# Altium PCB DIOT_temperature_logger.PcbDoc (part 7 of 8)
Units mm, origin at the board's own origin, x right, y up, seen from the top; angles counter-clockwise.
Board outline 300.88 x 109 mm, 4 copper layers (TOP, MID1, MID2, BOT), stack 1.564 mm thick; 654 components, 622 nets, 3422 pads, 1095 vias.
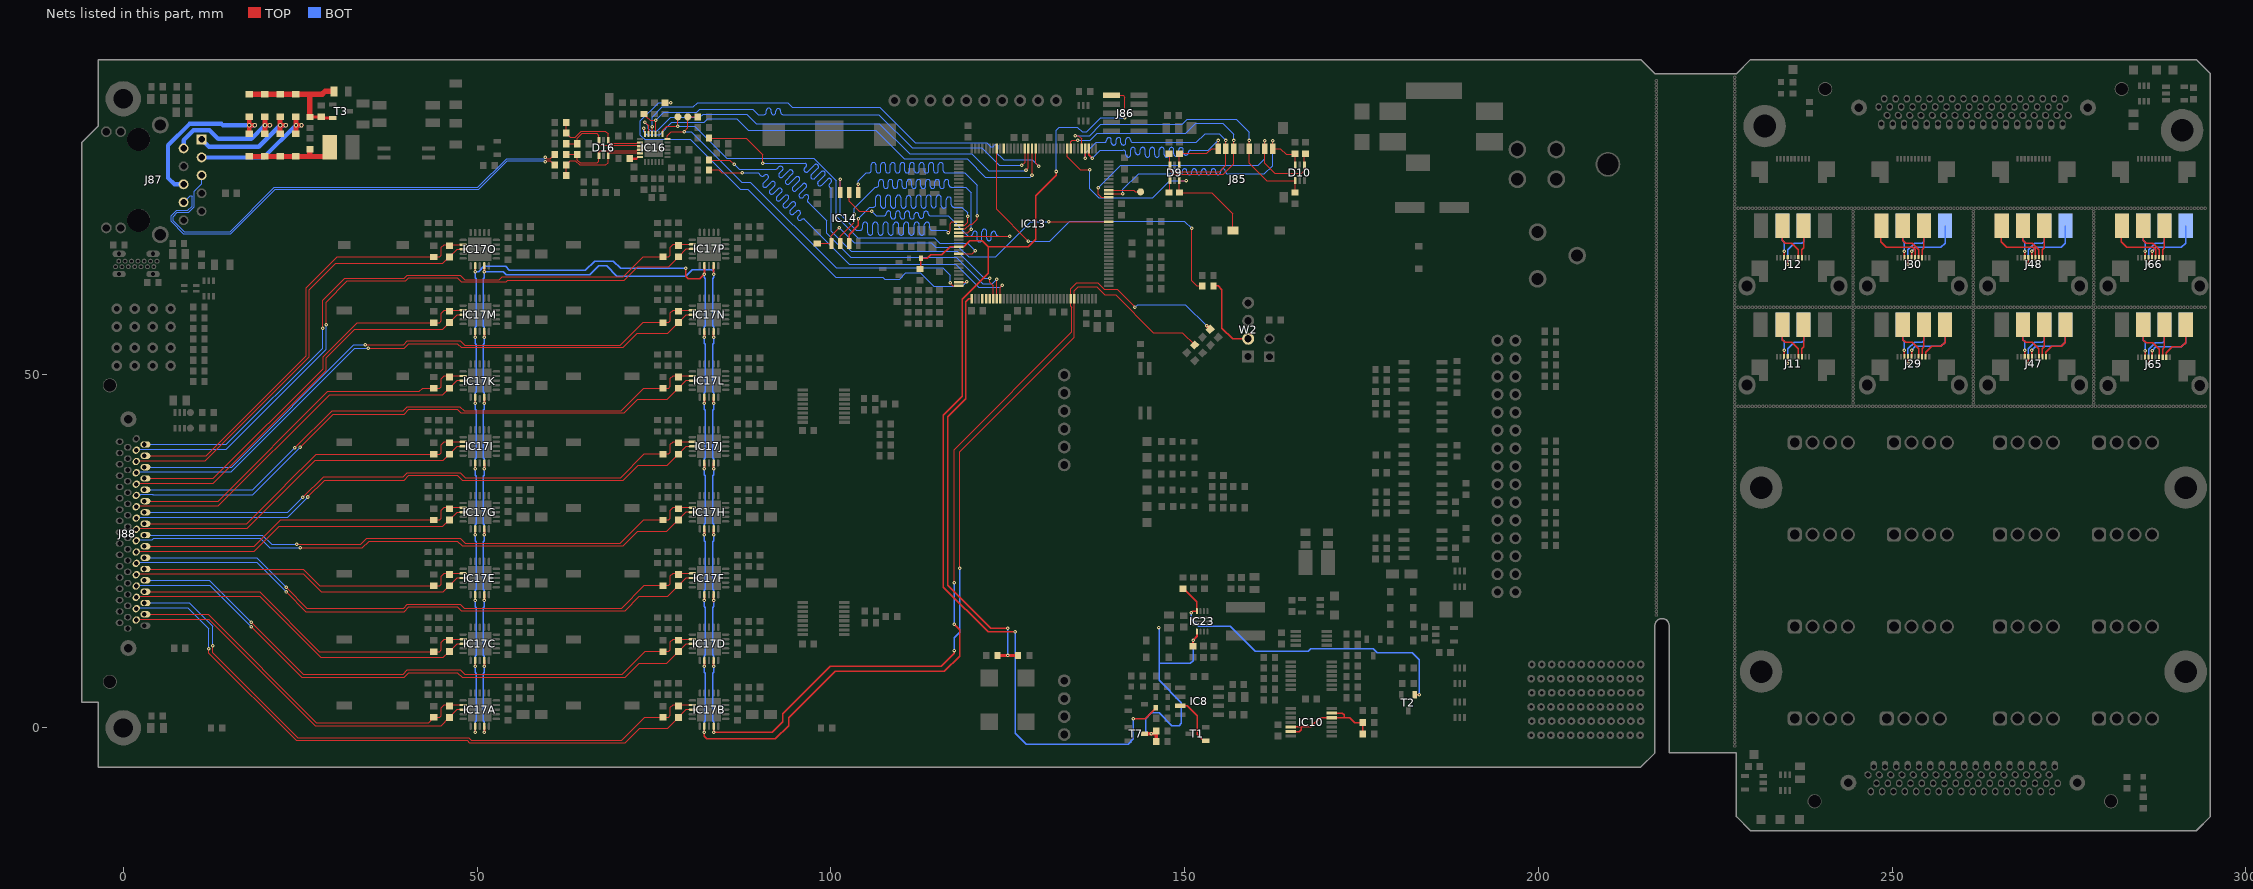
[diagram p9: the nets of this part, all layers, seen from the top]

## Via types
v1: diameter 0.5, hole 0.2, TOP to BOT, tented both sides, 913 vias
v2: diameter 0.5, hole 0.2, TOP to BOT, 98 vias
v3: diameter 0.6, hole 0.3, TOP to BOT, tented both sides, 84 vias

## Nets (pads, with @x,y where several pads share a name; then routed paths per layer and width w, separated by ;. In a path a pad name is that pad's centre, name@x,y a point inside that pad or via, vN(x,y) a via of type N, cw(c..) or ccw(c..) an arc to the next point about the centre after c; other vN are vias at no path point) (continued)
PFORCE_P04: J29.5 J37.1 | length 8.6
  TOP w0.2: J29.5@252.74,52.45 v1(252.74,53.375)
  BOT w0.2: v1(252.74,53.375) 253.265,53.9 256.88,53.9 257.48,54.5 J37.1@257.48,56.95
PFORCE_P05: J30.5 J38.1 | length 8.6
  TOP w0.2: J30.5@252.74,66.451 v1(252.74,67.375)
  BOT w0.2: v1(252.74,67.375) 253.265,67.9 256.88,67.9 257.48,68.5 J38.1@257.48,70.95
PFORCE_P06: J29.9 J45.1 | length 6.4
  TOP w0.2: J29.9@254.73,52.45 254.73,53.05 255.58,53.9 256.88,53.9 257.48,54.5 J45.1@257.48,56.95
PFORCE_P07: J30.6 J40.1 | length 8.7
  TOP w0.2: J40.1@248.38,70.951 248.38,68.7 249.18,67.9 252.905,67.9 253.23,67.575 J30.6@253.23,66.451
PFORCE_P08: J47.5 J55.1 | length 8.6
  TOP w0.2: J47.5@269.74,52.45 v1(269.74,53.375)
  BOT w0.2: v1(269.74,53.375) 270.265,53.9 273.88,53.9 274.48,54.5 J55.1@274.48,56.95
PFORCE_P09: J48.5 J56.1 | length 8.6
  TOP w0.2: J48.5@269.74,66.451 v1(269.74,67.375)
  BOT w0.2: v1(269.74,67.375) 270.265,67.9 273.88,67.9 274.48,68.5 J56.1@274.48,70.95
PFORCE_P10: J47.9 J63.1 | length 6.4
  TOP w0.2: J47.9@271.73,52.45 271.73,53.05 272.58,53.9 273.88,53.9 274.48,54.5 J63.1@274.48,56.95
PFORCE_P11: J48.6 J58.1 | length 8.7
  TOP w0.2: J58.1@265.38,70.951 265.38,68.7 266.18,67.9 269.905,67.9 270.23,67.575 J48.6@270.23,66.451
PFORCE_P12: J65.5 J73.1 | length 8.6
  TOP w0.2: J65.5@286.74,52.375 v1(286.74,53.3)
  BOT w0.2: v1(286.74,53.3) 287.265,53.825 290.88,53.825 291.48,54.425 J73.1@291.48,56.876
PFORCE_P13: J66.5 J74.1 | length 8.6
  TOP w0.2: J66.5@286.74,66.451 v1(286.74,67.375)
  BOT w0.2: v1(286.74,67.375) 287.265,67.9 290.88,67.9 291.48,68.5 J74.1@291.48,70.95
PFORCE_P14: J65.9 J81.1 | length 6.4
  TOP w0.2: J65.9@288.73,52.375 288.73,52.975 289.58,53.825 290.88,53.825 291.48,54.425 J81.1@291.48,56.876
PFORCE_P15: J66.6 J76.1 | length 8.7
  TOP w0.2: J76.1@282.38,70.951 282.38,68.7 283.18,67.9 286.905,67.9 287.23,67.575 J66.6@287.23,66.451
PGOOD: IC23.7 R152.1 T2.1 | length 46.2
  TOP w0.2: R152.1@149.88,19.65 151.73,17.8 IC23.7@151.73,16.5 151.131,16.5 v1(150.906,16.275) ; T2.1@182.53,4.7 v1(183.18,4.7)
  BOT w0.2: v1(150.906,16.275) 150.906,15.424 151.98,14.35 156.43,14.35 159.98,10.8 167.455,10.8 167.805,11.15 176.674,11.15 177.199,10.625 182.155,10.625 183.18,9.6 v1(183.18,4.7)
PHY_NRST: IC13.129 IC16.15 R110.2 | length 64.7
  TOP w0.171: R110.2@73.48,86.75 73.845,86.385 73.945,86.385 74.48,85.85 v1(75.23,85.85) IC16.15@75.23,83.85 ; v1(127.005,79.5) 127.455,79.95 127.455,81.85 IC13.129@127.43,81.875
  BOT w0.171: v1(75.23,85.85) 76.38,87 81.03,87 81.48,87.45 88.98,87.45 89.755,86.675 90.455,86.675 90.54,86.675 ccw(c90.54,87.014) 90.88,87.014 90.88,87.229 cw(c91.219,87.229) 91.219,87.568 cw(c91.219,87.229) 91.558,87.229 91.558,86.998 ccw(c91.898,86.998) 91.898,86.659 ccw(c91.898,86.998) 92.237,86.998 92.237,87.159 cw(c92.576,87.159) 92.576,87.499 cw(c92.576,87.159) 92.916,87.159 92.916,87.014 ccw(c93.255,87.014) 93.255,86.675 94.29,86.675 106.805,86.675 111.53,81.95 121.355,81.95 123.805,79.5 v1(127.005,79.5)
PHY_RD_N: D16.1 IC16.22 R103.1 R112.1 | length 13
  TOP w0.127: R103.1@62.58,81.05 R112.1@64.18,81.05 64.18,80.245 64.575,79.85 66.98,79.85 67.23,80.1 D16.1@67.23,80.85 67.23,81.05 67.23,81.45 67.359,81.579 72.551,81.579 72.671,81.7 IC16.22@73.08,81.7
PHY_RD_P: D16.3 IC16.23 R101.1 R113.1 | length 13.5
  TOP w0.127: R101.1@62.58,79.55 63.19,80.16 63.87,80.16 64.48,79.55 68.205,79.55 68.53,79.875 D16.3@68.53,80.85 68.53,81.097 68.733,81.3 72.571,81.3 72.671,81.2 IC16.23@73.08,81.2 ; R113.1@62.63,78.55 R101.1@62.63,79.55
PHY_TD_N: D16.4 IC16.20 R97.1 R115.1 | length 13.9
  TOP w0.127: R97.1@62.58,84.05 63.19,83.44 63.87,83.44 64.755,84.325 68.151,84.325 68.53,83.946 D16.4@68.53,83.05 68.53,82.806 68.743,82.594 72.565,82.594 72.671,82.7 IC16.20@73.08,82.7 ; R97.1@62.63,84.05 R115.1@62.63,85.45
PHY_TD_P: D16.6 IC16.21 R96.1 R114.1 | length 13.1
  TOP w0.127: R96.1@62.58,82.55 R114.1@64.18,82.55 64.18,83.355 64.85,84.025 66.88,84.025 67.23,83.675 D16.6@67.23,83.05 67.23,82.45 67.37,82.31 72.561,82.31 72.671,82.2 IC16.21@73.08,82.2
POE_IN1: D12.2 D17.1 J87.5 | length 23.9
  TOP w0.7: D12.2@17.805,83.975 v3(17.805,85.163) D17.1@17.805,86.35 ; v3(17.805,85.163) v3(18.58,85.163)
  BOT w0.6: J87.5@8.476,76.815 7.238,76.815 6.33,77.723 6.33,82.325 9.365,85.36 13.895,85.36 14.092,85.163 v3(17.805,85.163) v3@18.605,85.163
POE_IN2: D13.2 D18.1 J87.8 | length 19.2
  TOP w0.7: D13.2@24.405,83.975 v3(24.405,85.163) D18.1@24.405,86.35 ; v3(24.405,85.163) v3@25.193,85.163
  BOT w0.6: J87.8@11.095,80.6 19.842,80.6 v3(24.405,85.163) v3(25.205,85.163)
POE_IN3: D14.2 D19.1 J87.10 | length 16.7
  TOP w0.6: v3(22.18,85.163) v3(22.955,85.163)
  TOP w0.7: D14.2@22.18,83.95 v3(22.18,85.163) D19.1@22.18,86.35
  BOT w0.6: J87.10@11.07,83.165 12.11,82.125 19.146,82.125 v3@22.176,85.155 ; v3(22.18,85.163) v3(22.955,85.163)
POE_IN4: D15.2 D20.1 J87.9 | length 18.3
  TOP w0.7: D15.2@20.005,83.975 v3(20.005,85.163) ; D20.1@20.005,86.35 v3(20.005,85.163) ; v3(20.705,85.163) v3(20.005,85.163)
  BOT w0.6: J87.9@8.53,81.895 8.53,83.05 9.94,84.46 12.195,84.46 13.405,83.25 18.1,83.25 20.025,85.175 v3@20.705,85.175
POE_PWR_SRC: IC13.37 R145.1 R146.2 | length 59.9
  TOP w0.2: IC13.37@119.93,60.625 119.455,60.625 119.055,60.225 119.055,46.475 116.555,43.975 116.555,20.125 122.58,14.1 v1(125.005,14.1)
  TOP w0.4: R145.1@123.555,10.225 v1(125.005,10.225) R146.2@126.455,10.225
  BOT w0.2: v1(125.005,10.225) v1(125.005,14.1)
POE_VC+: D12.1 D13.1 D14.1 D15.1 L7.1 R143.2 | length 12.9
  TOP w0.762: D12.1@17.78,80.75 D15.1@19.98,80.75 D14.1@22.18,80.75 ; D14.1@22.38,80.75 D13.1@24.38,80.75 ; D13.1@24.88,80.75 26.406,80.75 ; R143.2@26.38,81.75 26.38,80.776 26.406,80.75 ; L7.1@28.755,80.75 L7.1@28.561,80.75 ; L7.1@29.192,82.05 L7.1@29.18,82.05 29.18,81.369 L7.1@28.561,80.75 ; 26.406,80.75 L7.1@28.561,80.75
POE_VC-: D17.2 D18.2 D19.2 D20.2 R147.1 R149.1 R150.1 T3.2 | length 18.2
  TOP w0.4: R149.1@26.58,86.35 R150.1@27.98,86.35 ; R150.1@27.831,86.2 T3.2@29.63,86.2
  TOP w0.762: D17.2@17.755,89.525 D17.2@17.78,89.55 D20.2@19.98,89.55 20.18,89.55 20.38,89.55 D19.2@22.18,89.55 ; D19.2@22.38,89.55 D18.2@24.38,89.55 ; D18.2@24.88,89.55 26.58,89.55 ; 26.201,89.55 28.105,89.55 28.505,89.95 R147.1@29.78,89.95 ; R149.1@26.38,86.35 26.38,89.476
PRTDIN_N00: J11.3 J15.1 | length 4.6
  TOP w0.2: J11.3@234.73,52.45 v1(234.73,53.375)
  BOT w0.2: J15.1@234.48,56.95 234.48,54.875 234.73,54.625 v1(234.73,53.375)
PRTDIN_N01: J12.3 J16.1 | length 4.6
  TOP w0.2: J12.3@234.73,66.451 v1(234.73,67.375)
  BOT w0.2: J16.1@234.48,70.95 234.48,68.875 234.73,68.625 v1(234.73,67.375)
PRTDIN_N02: J11.7 J23.1 | length 6
  TOP w0.2: J23.1@234.48,56.95 234.48,54.875 234.88,54.475 235.805,54.475 236.73,53.55 J11.7@236.73,52.45
PRTDIN_N03: J12.7 J24.1 | length 6
  TOP w0.2: J24.1@234.48,70.95 234.48,68.875 234.88,68.475 235.805,68.475 236.73,67.55 J12.7@236.73,66.451
PRTDIN_N04: J29.3 J33.1 | length 4.6
  TOP w0.2: J29.3@251.73,52.45 v1(251.73,53.375)
  BOT w0.2: J33.1@251.48,56.95 251.48,54.875 251.73,54.625 v1(251.73,53.375)
PRTDIN_N05: J30.3 J34.1 | length 4.6
  TOP w0.2: J30.3@251.73,66.451 v1(251.73,67.375)
  BOT w0.2: J34.1@251.48,70.95 251.48,68.875 251.73,68.625 v1(251.73,67.375)
PRTDIN_N06: J29.7 J41.1 | length 6
  TOP w0.2: J41.1@251.48,56.95 251.48,54.875 251.88,54.475 252.805,54.475 253.73,53.55 J29.7@253.73,52.45
PRTDIN_N07: J30.8 J44.1 | length 4.6
  TOP w0.2: J30.8@254.23,66.451 254.23,67.6 254.48,67.85 J44.1@254.48,70.95
PRTDIN_N08: J47.3 J51.1 | length 4.6
  TOP w0.2: J47.3@268.73,52.45 v1(268.73,53.375)
  BOT w0.2: J51.1@268.48,56.95 268.48,54.875 268.73,54.625 v1(268.73,53.375)
PRTDIN_N09: J48.3 J52.1 | length 4.6
  TOP w0.2: J48.3@268.73,66.451 v1(268.73,67.375)
  BOT w0.2: J52.1@268.48,70.95 268.48,68.875 268.73,68.625 v1(268.73,67.375)
PRTDIN_N10: J47.7 J59.1 | length 6
  TOP w0.2: J59.1@268.48,56.95 268.48,54.875 268.88,54.475 269.805,54.475 270.73,53.55 J47.7@270.73,52.45
PRTDIN_N11: J48.8 J62.1 | length 4.6
  TOP w0.2: J48.8@271.23,66.451 271.23,67.6 271.48,67.85 J62.1@271.48,70.95
PRTDIN_N12: J65.3 J69.1 | length 4.6
  TOP w0.2: J65.3@285.73,52.375 v1(285.73,53.3)
  BOT w0.2: J69.1@285.48,56.876 285.48,54.8 285.73,54.55 v1(285.73,53.3)
PRTDIN_N13: J66.3 J70.1 | length 4.6
  TOP w0.2: J66.3@285.73,66.451 v1(285.73,67.375)
  BOT w0.2: J70.1@285.48,70.95 285.48,68.875 285.73,68.625 v1(285.73,67.375)
PRTDIN_N14: J65.7 J77.1 | length 6
  TOP w0.2: J77.1@285.48,56.876 285.48,54.8 285.88,54.4 286.805,54.4 287.73,53.475 J65.7@287.73,52.375
PRTDIN_N15: J66.8 J80.1 | length 4.6
  TOP w0.2: J66.8@288.23,66.451 288.23,67.6 288.48,67.85 J80.1@288.48,70.95
PRTDIN_P00: J11.4 J17.1 | length 7.9
  TOP w0.2: v1(235.23,51.526) J11.4@235.23,52.45
  BOT w0.2: v1(235.23,51.526) 235.23,53.55 236.155,54.475 237.241,54.475 237.48,54.714 J17.1@237.48,56.95
PRTDIN_P01: J12.4 J18.1 | length 7.9
  TOP w0.2: v1(235.23,65.526) J12.4@235.23,66.451
  BOT w0.2: v1(235.23,65.526) 235.23,67.551 236.155,68.475 237.241,68.475 237.48,68.715 J18.1@237.48,70.95
PRTDIN_P02: J11.8 J25.1 | length 4.6
  TOP w0.2: J11.8@237.23,52.45 237.23,53.6 237.48,53.85 J25.1@237.48,56.95
PRTDIN_P03: J12.8 J26.1 | length 4.6
  TOP w0.2: J12.8@237.23,66.451 237.23,67.6 237.48,67.85 J26.1@237.48,70.95
PRTDIN_P04: J29.4 J35.1 | length 7.9
  TOP w0.2: v1(252.23,51.526) J29.4@252.23,52.45
  BOT w0.2: v1(252.23,51.526) 252.23,53.55 253.155,54.475 254.241,54.475 254.48,54.714 J35.1@254.48,56.95
PRTDIN_P05: J30.4 J36.1 | length 7.9
  TOP w0.2: v1(252.23,65.526) J30.4@252.23,66.451
  BOT w0.2: v1(252.23,65.526) 252.23,67.551 253.155,68.475 254.241,68.475 254.48,68.715 J36.1@254.48,70.95
PRTDIN_P06: J29.8 J43.1 | length 4.6
  TOP w0.2: J29.8@254.23,52.45 254.23,53.6 254.48,53.85 J43.1@254.48,56.95
PRTDIN_P07: J30.7 J42.1 | length 6
  TOP w0.2: J42.1@251.48,70.95 251.48,68.875 251.88,68.475 252.805,68.475 253.73,67.55 J30.7@253.73,66.451
PRTDIN_P08: J47.4 J53.1 | length 7.9
  TOP w0.2: v1(269.23,51.526) J47.4@269.23,52.45
  BOT w0.2: v1(269.23,51.526) 269.23,53.55 270.155,54.475 271.241,54.475 271.48,54.714 J53.1@271.48,56.95
PRTDIN_P09: J48.4 J54.1 | length 7.9
  TOP w0.2: v1(269.23,65.526) J48.4@269.23,66.451
  BOT w0.2: v1(269.23,65.526) 269.23,67.551 270.155,68.475 271.241,68.475 271.48,68.715 J54.1@271.48,70.95
PRTDIN_P10: J47.8 J61.1 | length 4.6
  TOP w0.2: J47.8@271.23,52.45 271.23,53.6 271.48,53.85 J61.1@271.48,56.95
PRTDIN_P11: J48.7 J60.1 | length 6
  TOP w0.2: J60.1@268.48,70.95 268.48,68.875 268.88,68.475 269.805,68.475 270.73,67.55 J48.7@270.73,66.451
PRTDIN_P12: J65.4 J71.1 | length 7.9
  TOP w0.2: v1(286.23,51.451) J65.4@286.23,52.375
  BOT w0.2: v1(286.23,51.451) 286.23,53.476 287.155,54.4 288.241,54.4 288.48,54.64 J71.1@288.48,56.876
PRTDIN_P13: J66.4 J72.1 | length 7.9
  TOP w0.2: v1(286.23,65.526) J66.4@286.23,66.451
  BOT w0.2: v1(286.23,65.526) 286.23,67.551 287.155,68.475 288.241,68.475 288.48,68.715 J72.1@288.48,70.95
PRTDIN_P14: J65.8 J79.1 | length 4.6
  TOP w0.2: J65.8@288.23,52.375 288.23,53.525 288.48,53.775 J79.1@288.48,56.876
PRTDIN_P15: J66.7 J78.1 | length 6
  TOP w0.2: J78.1@285.48,70.95 285.48,68.875 285.88,68.475 286.805,68.475 287.73,67.55 J66.7@287.73,66.451
PSU_EN: IC23.8 R33.2 R151.1 R165.2 T7.3 | length 36.5
  TOP w0.3: R151.1@151.18,11.55 151.18,12.356 v1(151.193,12.369) 151.73,12.906 IC23.8@151.73,13.6
  TOP w0.5: T7.3@144.43,-0.85 v2(145.255,-0.85) 145.93,-0.85 145.98,-0.8 R33.2@145.98,-1.75
  BOT w0.2: v2(145.255,-0.85) 145.243,-0.862 144.867,-0.862 144.48,-0.475 144.48,1.3 145.28,2.1 146.378,2.1 148.153,0.325 149.228,0.325 149.542,0.64 149.542,3.538 146.38,6.7 146.38,9.1 ; v2(146.355,14.175) 146.38,14.15 146.38,9.1 ; v1(151.193,12.369) 151.193,9.488 150.805,9.1 146.38,9.1
QSPI_BK1_CLK: IC13.22 IC14.6 | length 45.9
  TOP w0.171: IC14.6@102.615,75.65 102.615,74.44 104.03,73.025 v1(105.755,73.025) ; IC13.22@118.055,69.5 v1(125.255,69.5)
  BOT w0.152: v1(105.755,73.025) 106.43,72.35 107.424,72.35 107.5,72.35 ccw(c107.5,72.68) 107.83,72.68 107.83,72.722 cw(c108.16,72.722) 108.49,72.722 108.49,72.248 ccw(c108.821,72.248) 109.151,72.248 109.151,72.722 cw(c109.481,72.722) 109.811,72.722 109.811,72.248 ccw(c110.141,72.248) 110.472,72.248 110.472,72.722 cw(c110.802,72.722) 111.132,72.722 111.132,72.248 ccw(c111.462,72.248) 111.792,72.248 111.792,72.486 cw(c112.123,72.486) 112.453,72.486 112.453,72.35 ccw(c112.783,72.35) 113.113,72.35 113.113,72.68 cw(c113.443,72.68) 113.774,72.68 ccw(c114.104,72.68) 114.104,72.35 116.121,72.35 116.58,72.35 119.43,69.5 119.631,69.5 119.707,69.5 ccw(c119.707,69.83) 120.038,69.83 120.038,69.847 cw(c120.368,69.847) 120.698,69.847 120.698,68.998 ccw(c121.028,68.998) 121.358,68.998 121.358,70.144 cw(c121.689,70.144) 122.019,70.144 122.019,69.18 ccw(c122.349,69.18) 122.679,69.18 122.679,69.83 cw(c123.009,69.83) 123.34,69.83 ccw(c123.67,69.83) 123.67,69.5 125.247,69.5 v1(125.255,69.5)
QSPI_BK1_D0: IC13.20 IC14.5 | length 46.5
  TOP w0.171: v1(103.88,76.8) 103.885,76.795 IC14.5@103.885,75.65 ; IC13.20@118.055,70.5 119.03,70.5 119.68,71.15 119.98,71.15 120.705,71.875 v1(120.705,72.35)
  BOT w0.171: v1(103.88,76.8) 103.855,76.825 103.855,77.3 104.98,78.425 105.28,78.425 105.365,78.425 ccw(c105.365,78.764) 105.705,78.764 105.705,79.544 cw(c106.044,79.544) 106.383,79.544 106.383,78.758 ccw(c106.723,78.758) 107.062,78.758 107.062,79.544 cw(c107.401,79.544) 107.741,79.544 107.741,78.758 ccw(c108.08,78.758) 108.419,78.758 108.419,79.544 cw(c108.759,79.544) 109.098,79.544 109.098,78.758 ccw(c109.437,78.758) 109.776,78.758 109.776,79.544 cw(c110.116,79.544) 110.455,79.544 110.455,78.758 ccw(c110.794,78.758) 111.134,78.758 111.134,79.544 cw(c111.473,79.544) 111.812,79.544 111.812,78.758 ccw(c112.152,78.758) 112.491,78.758 112.491,79.544 cw(c112.83,79.544) 113.17,79.544 113.17,78.758 ccw(c113.509,78.758) 113.848,78.758 113.848,79.544 cw(c114.188,79.544) 114.527,79.544 114.527,78.758 ccw(c114.866,78.758) 115.206,78.758 115.206,79.544 cw(c115.545,79.544) 115.884,79.544 115.884,78.764 ccw(c116.224,78.764) 116.224,78.425 117.414,78.425 118.955,78.425 120.705,76.675 v1(120.705,72.35)
QSPI_BK1_D1: IC13.21 IC14.2 | length 46.3
  TOP w0.152: IC13.21@118.055,70 119.38,70 v1(119.855,70.475)
  TOP w0.171: IC14.2@101.345,68.45 101.345,69.501 101.619,69.775 103.28,71.436 v1(103.28,72.55)
  BOT w0.152: v1(103.28,72.55) 103.28,73.45 106.255,76.425 106.38,76.425 106.456,76.425 ccw(c106.456,76.755) 106.786,76.755 106.786,77.152 cw(c107.116,77.152) 107.446,77.152 107.446,76.553 ccw(c107.777,76.553) 108.107,76.553 108.107,77.152 cw(c108.437,77.152) 108.767,77.152 108.767,76.553 ccw(c109.097,76.553) 109.428,76.553 109.428,77.152 cw(c109.758,77.152) 110.088,77.152 110.088,76.553 ccw(c110.418,76.553) 110.748,76.553 110.748,77.152 cw(c111.079,77.152) 111.409,77.152 111.409,76.553 ccw(c111.739,76.553) 112.069,76.553 112.069,77.152 cw(c112.399,77.152) 112.73,77.152 112.73,76.553 ccw(c113.06,76.553) 113.39,76.553 113.39,77.152 cw(c113.72,77.152) 114.05,77.152 114.05,76.553 ccw(c114.381,76.553) 114.711,76.553 114.711,77.152 cw(c115.041,77.152) 115.371,77.152 115.371,76.553 ccw(c115.701,76.553) 116.032,76.553 116.032,77.152 cw(c116.362,77.152) 116.692,77.152 116.692,76.755 ccw(c117.022,76.755) 117.022,76.425 117.949,76.425 119.055,76.425 119.841,75.639 119.841,70.489 v1(119.855,70.475)
QSPI_BK1_D2: IC13.19 IC14.3 | length 46.7
  TOP w0.152: IC13.19@118.055,71 118.905,71 119.33,71.425 v1(119.33,72.275)
  TOP w0.2: IC14.3@102.615,68.45 102.615,69.71 103.905,71 v1(103.905,71.975)
  BOT w0.152: v1(103.905,71.975) 105.53,73.6 105.93,73.6 106.006,73.6 ccw(c106.006,73.956) 106.362,73.956 106.362,74.923 cw(c106.717,74.923) 107.073,74.923 107.073,73.799 ccw(c107.429,73.799) 107.784,73.799 107.784,74.923 cw(c108.14,74.923) 108.495,74.923 108.495,73.799 ccw(c108.851,73.799) 109.207,73.799 109.207,74.923 cw(c109.562,74.923) 109.918,74.923 109.918,73.799 ccw(c110.273,73.799) 110.629,73.799 110.629,74.841 cw(c110.985,74.841) 111.34,74.841 111.34,73.799 ccw(c111.696,73.799) 112.051,73.799 112.051,74.923 cw(c112.407,74.923) 112.763,74.923 112.763,73.799 ccw(c113.118,73.799) 113.474,73.799 113.474,74.923 cw(c113.829,74.923) 114.185,74.923 114.185,73.859 ccw(c114.541,73.859) 114.896,73.859 114.896,74.923 cw(c115.252,74.923) 115.607,74.923 115.607,73.799 ccw(c115.963,73.799) 116.319,73.799 116.319,74.66 cw(c116.674,74.66) 117.03,74.66 117.03,73.956 ccw(c117.385,73.956) 117.385,73.6 118.199,73.6 118.53,73.6 119.33,72.8 v1(119.33,72.275)
QSPI_BK1_D3: IC13.18 IC14.7 | length 45.7
  TOP w0.171: v1(101.33,77.525) 101.345,77.51 IC14.7@101.345,75.65 ; v1(116.605,70) 116.855,70.25 116.855,71.25 117.105,71.5 IC13.18@118.055,71.5
  BOT w0.171: v1(101.33,77.525) 101.305,77.5 101.305,72.575 103.444,70.436 103.58,70.3 104.112,70.3 ccw(c104.112,70.665) 104.477,70.665 104.477,71.097 cw(c104.841,71.097) 105.206,71.097 105.206,70.004 ccw(c105.571,70.004) 105.936,70.004 105.936,71.097 cw(c106.3,71.097) 106.665,71.097 106.665,70.004 ccw(c107.03,70.004) 107.394,70.004 107.394,71.097 cw(c107.759,71.097) 108.124,71.097 108.124,70.004 ccw(c108.489,70.004) 108.853,70.004 108.853,71.097 cw(c109.218,71.097) 109.583,71.097 109.583,70.004 ccw(c109.947,70.004) 110.312,70.004 110.312,71.097 cw(c110.677,71.097) 111.042,71.097 111.042,70.004 ccw(c111.406,70.004) 111.771,70.004 111.771,71.097 cw(c112.136,71.097) 112.5,71.097 112.5,70.004 ccw(c112.865,70.004) 113.23,70.004 113.23,71.097 cw(c113.595,71.097) 113.959,71.097 113.959,70.665 ccw(c114.324,70.665) 114.324,70.3 115.139,70.3 116.305,70.3 v1(116.605,70)
QSPI_BK1_NSS: IC13.91 IC14.1 R76.1 | length 46.1
  TOP w0.171: R76.1@98.48,68.45 IC14.1@100.075,68.45 100.075,69.52 101.205,70.65 v2(101.205,70.675) ; v1(130.805,71.5) IC13.91@139.305,71.5
  BOT w0.171: v2(101.205,70.675) 103.305,68.575 114.205,68.575 114.83,67.95 118.105,67.95 119.505,66.55 123.305,66.55 128.255,71.5 v1(130.805,71.5)
RBIAS: IC16.24 R104.1 | length 1.6
  TOP w0.3: R104.1@71.58,80.45 71.605,80.425 72.505,80.425 72.78,80.7 IC16.24@73.08,80.7
RCC_MCO_1: B5.1 IC13.100 | length 4.6
  TOP w0.127: IC13.100@139.305,76 142.78,76 143.03,75.75 B5.1@143.78,75.75
RD_N: J87.6 R103.2 | length 68.3
  TOP w0.127: v2(59.655,80.614) 59.829,80.44 60.37,80.44 R103.2@60.98,81.05
  BOT w0.127: J87.6@11.07,78.085 11.07,76.861 10.03,75.821 10.03,73.625 9.255,72.85 7.655,72.85 7.043,72.238 7.043,71.69 8.616,70.117 15.097,70.117 21.346,76.366 50.089,76.366 54.163,80.44 59.481,80.44 v2(59.655,80.614)
RD_P: J87.3 R101.2 | length 67
  TOP w0.127: v2(59.655,79.987) 59.829,80.16 60.37,80.16 R101.2@60.98,79.55
  BOT w0.127: J87.3@8.53,74.275 9.467,75.213 9.667,75.213 9.751,75.129 9.751,73.741 9.139,73.129 7.539,73.129 6.763,72.353 6.763,71.575 8.5,69.838 15.213,69.838 21.461,76.086 50.204,76.086 54.278,80.16 59.481,80.16 v2(59.655,79.987)
RMII_CRS_DV: IC13.43 R105.1 | length 64.7
  TOP w0.171: R105.1@82.78,83.35 88.03,83.35 90.355,81.025 v1(90.355,79.8) ; v1(122.43,63.55) 122.43,62.975 122.93,62.475 IC13.43@122.93,60.625
  BOT w0.171: v1(90.355,79.8) 95.667,79.8 96.43,79.8 96.469,79.761 cw(c96.229,79.521) 96.469,79.281 96.293,79.106 ccw(c96.533,78.866) 96.293,78.626 ccw(c96.533,78.866) 96.773,78.626 97.682,79.535 cw(c97.922,79.295) 98.162,79.535 cw(c97.922,79.295) 98.162,79.055 97.253,78.146 ccw(c97.493,77.906) 97.253,77.666 ccw(c97.493,77.906) 97.733,77.666 98.642,78.575 cw(c98.882,78.335) 99.122,78.575 cw(c98.882,78.335) 99.122,78.095 98.213,77.187 ccw(c98.453,76.947) 98.213,76.707 ccw(c98.453,76.947) 98.693,76.707 99.529,77.543 cw(c99.768,77.303) 100.008,77.543 cw(c99.768,77.303) 100.008,77.063 99.828,76.882 ccw(c100.068,76.642) 99.828,76.402 100.075,76.155 100.075,75.454 100.075,70.205 102.905,67.375 117.88,67.375 121.705,63.55 v1(122.43,63.55)
RMII_MDC: B3.1 IC13.27 IC16.13 | length 59.2
  TOP w0.171: IC16.13@76.23,83.85 76.23,84.475 76.78,85.025 v1(78.38,85.025) 78.38,86.25 B3.1@78.455,86.325 ; IC13.27@118.055,67 120.005,67 v1(120.43,67.425)
  BOT w0.152: v1(78.38,85.025) 80.755,85.025 85.255,80.525 97.58,80.525 100.78,77.325 100.78,72.275 103.78,69.275 114.605,69.275 115.38,68.5 119.355,68.5 v1(120.43,67.425)
RMII_MDIO: B4.1 IC13.36 IC16.12 R107.2 | length 55
  TOP w0.171: IC16.12@76.88,83.2 76.88,83.7 77.43,84.25 v1(79.255,84.25) 79.78,84.775 B4.1@79.78,86.45 ; B4.1@80.18,86.35 R107.2@81.18,86.35 ; v1(116.88,62.875) 117.255,62.5 IC13.36@118.055,62.5
  BOT w0.152: v1(79.255,84.25) 80.297,84.25 87.422,77.125 88.63,77.125 100.73,65.025 115.83,65.025 116.88,63.975 v1(116.88,62.875)
RMII_REF_CLK: IC13.35 R109.1 | length 65.4